# Altium PCB BACKPMANv21.PcbDoc (part 1 of 5) (continued)
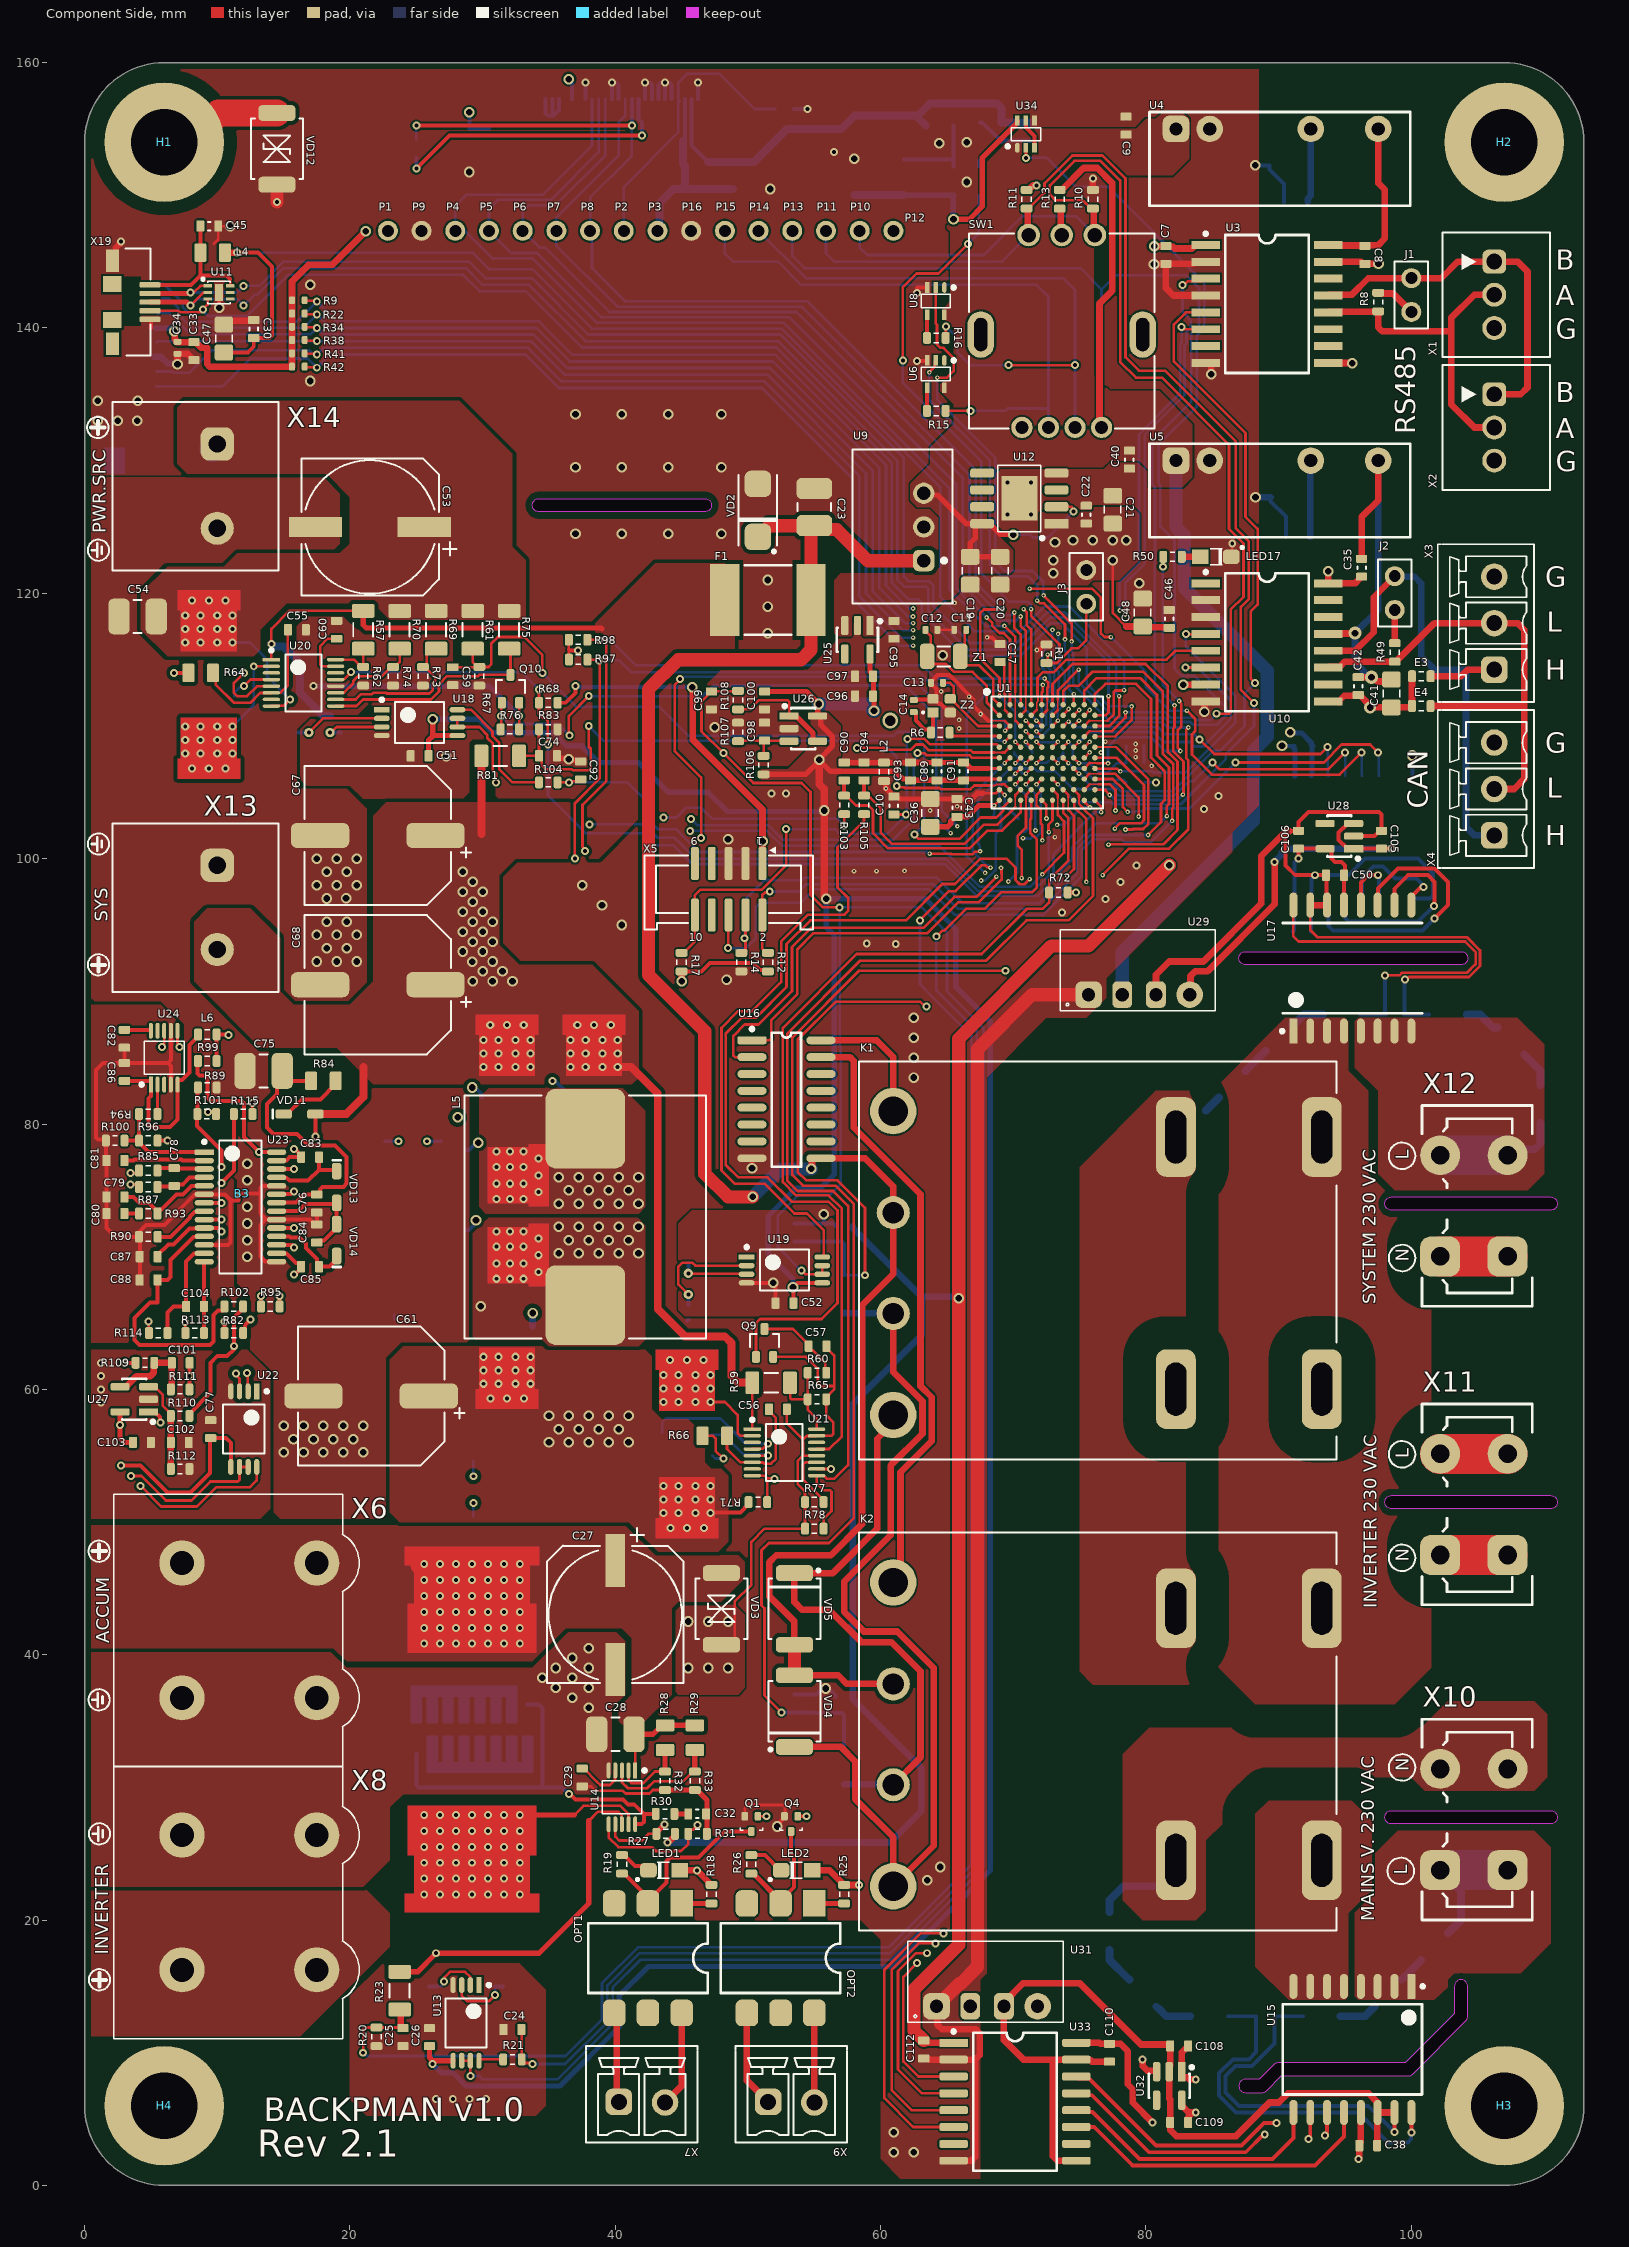
[diagram p0: Component Side view]
## Components (designator, comment, footprint, x,y, rotation, side; value= is the part's Value field where it differs from the comment) (continued)
Q17 "CSD18540Q5BT" "SO8FL Universal Footprint" 28.75,74.23 r90 bottom
Q18 "CSD18540Q5BT" "SO8FL Universal Footprint" 28.75,68.21 r90 bottom
R1 "RL0603K010-1" 0603 72.5,115.45 r270 top value="10 K"
R2 "RC0603FR-070RL" 0603 25,153.5 r270 bottom value="0 R"
R3 "Resistor" 0603 52.75,156.5 r180 bottom value="910 k"
R4 "Resistor" 0603 71.25,154.8 r90 bottom value="220 k"
R5 "Resistor" 0603 67.5,154.8 r270 bottom value="24.9 k"
R6 "RC0603FR-070RL" 0603 64.5,109.5 r0 top value="0 R"
R7 "RL0603K010-1" 0603 79.2,105.75 r180 bottom value="10 K"
R8 "Resistor" 0603 97.5,141.95 r270 top value=120
R9 "Resistor" 0402 16.111,142.088 r180 top value="22 k"
R10 "RL0603K010-1" 0603 76,149.7 r90 top value="10 K"
R11 "RL0603K010-1" 0603 71,149.7 r90 top value="10 K"
R12 "RL0603K010-1" 0603 51.5,92.2 r270 top value="10 K"
R13 "RL0603K010-1" 0603 73.5,149.7 r270 top value="10 K"
R14 "RL0603K010-1" 0603 49.5,92.2 r270 top value="10 K"
R15 "Resistor" 0603 64.2,133.75 r0 top value=120
R16 "Resistor" 0603 64.2,139.25 r0 top value=120
R17 "RL0603K010-1" 0603 45,92.2 r270 top value="10 K"
R18 "Resistor" 0603 47.25,21.95 r270 top value="1.5 k"
R19 "RL0603K001-1" 0603 40.5,24.2 r90 top value="1 K"
R20 "Resistor" 0603 22,11.2 r90 top value="4,7 k"
R21 "Resistor" 0603 32.25,9.5 r0 top value="1 k"
R22 "Resistor" 0402 16.111,141.088 r180 top value="22 k"
R23 "Resistor" 1206 23.75,14.675 r90 top value="100 k"
R24 "WSR51L000FEA" WSR52L000FEA 24.04,15 r0 bottom value=0.001
R25 "Resistor" 0603 57.25,21.95 r270 top value="1.5 k"
R26 "RL0603K001-1" 0603 50.25,24.2 r90 top value="1 K"
R27 "Resistor" 0603 43.8,26.5 r0 top value="10 k"
R28 "Resistor" 0805 43.75,33.75 r90 top value="5.6 M"
R29 "Resistor" 0805 46,33.75 r90 top value="5.6 M"
R30 "Resistor" 0603 43.75,28 r0 top value="10 k"
R31 "Resistor" 0603 46.2,26.5 r180 top value="10 k"
R32 "Resistor" 0603 43.75,30.5 r90 top value="191 k"
R33 "Resistor" 0603 46,30.5 r90 top value="86.6 k"
R34 "Resistor" 0402 16.111,140.088 r180 top value="22 k"
R35 "Resistor" 1206 98.25,14.5 r225 bottom value="330 k"
R35_1 "Resistor" 1206 101.75,18 r225 bottom value="330 k"
R36 "Resistor" 1206 93.25,12.75 r180 bottom value="330 k"
R37 "Resistor" 0603 89,12.75 r180 bottom value=910
R38 "Resistor" 0402 16.111,139.088 r180 top value="22 k"
R39 "Resistor" 1206 84.75,12.75 r180 bottom value="330 k"
R40 "Resistor" 1206 79.75,14.5 r135 bottom value="330 k"
R40_1 "Resistor" 1206 77.25,19.175 r270 bottom value="330 k"
R41 "Resistor" 0402 16.111,138.088 r180 top value="22 k"
R42 "Resistor" 0402 16.111,137.088 r180 top value="22 k"
R44 "Resistor" 1206 90,86.5 r45 bottom value="330 k"
R44_1 "Resistor" 1206 86.5,83 r45 bottom value="330 k"
R45 "Resistor" 1206 94.75,88.25 r0 bottom value="330 k"
R46 "Resistor" 0603 98.75,88.25 r0 bottom value=910
R47 "Resistor" 1206 102.75,88.25 r0 bottom value="330 k"
R48 "Resistor" 1206 107.5,86.25 r315 bottom value="330 k"
R48_1 "Resistor" 1206 109.75,81.5 r90 bottom value="330 k"
R49 "RL0603E120-1" 0603 98.75,115.55 r90 top value="120 R"
R50 "CRCW0603300RFKEA" 0603 82,122.75 r180 top value="300 R"
R51 "Resistor" 1206 57.25,67.175 r90 bottom value="100 k"
R52 "RL0603K004.7-1" 0603 55,71.8 r270 bottom value="4.7 K"
R53 "Resistor" 1206 57.25,31.675 r90 bottom value="100 k"
R54 "RL0603K004.7-1" 0603 55,36.3 r270 bottom value="4.7 K"
R55 "Resistor_shunt" "2512 shunt" 20.405,109.5 r180 bottom net-tie value="2 m"
R56 "Resistor_shunt" "2512 shunt" 45.5,65.245 r90 bottom net-tie value="2 m"
R57 "Resistor" 1206 21,117.25 r90 top value="200 k"
R59 "Resistor" 1206 51.75,60.5 r180 top value="150 k"
R60 "Resistor" 0603 55.2,61.25 r0 top value="54.9 k"
R61 "Resistor" 1206 29.25,117.25 r90 top value="100 k"
R62 "Resistor" 0603 21,113.75 r270 top value="10 k"
R64 "Resistor" 0805 8.75,114 r180 top value=10
R65 "Resistor" 0603 55.2,59.25 r180 top value="8.66 k"
R66 "Resistor" 0805 47.5,56.5 r180 top value=10
R67 "Resistor" 0603 29.75,113.75 r90 top value="4,7 k"
R68 "Resistor" 0603 34.95,111.75 r0 top value="10 k"
R69 "Resistor" 1206 26.5,117.25 r90 top value="5.6 M"
R70 "Resistor" 1206 23.75,117.25 r90 top value="5.6 M"
R71 "RC0603FR-070RL" 0603 50.75,51.5 r180 top value="0 R"
R72 "Resistor" 0603 73.4,97.45 r0 top value="10 k"
R73 "Resistor" 0603 25.5,113.75 r90 top value="510 k"
R74 "Resistor" 0603 23.25,113.75 r90 top value="261 k"
R75 "Resistor" 1206 32,117.25 r270 top value="100 k"
R76 "Resistor" 0603 32.05,109.75 r180 top value="10 k"
R77 "RC0603FR-070RL" 0603 55,51.5 r180 top value="0 R"
R78 "Resistor" 0603 55,49.5 r0 top value="10 k"
R80 "FC4L110R005FER" FC4L110 34.25,52.5 r90 bottom value="0.005 R"
R81 "Resistor" 1206 31.325,107.75 r180 top value="100 k"
R82 "Resistor" 0603 11.25,64.25 r0 top value=100
R83 "Resistor" 0603 34.95,109.75 r180 top value="4,7 k"
R84 "Resistor" 0805 18,83.25 r0 top value=10
R85 "Resistor" 0603 4.8,76.5 r0 top value="1 k"
R86 "FC4L110R005FER" FC4L110 24.75,73.75 r0 bottom value="0.005 R"
R87 "Resistor" 0603 4.8,75.25 r0 top value="1 k"
R89 "Resistor" 0603 9.25,82.75 r180 top value="10 k"
R90 "Resistor" 0603 4.8,71.5 r0 top value="64.9 k"
R93 "Resistor" 0603 4.8,73.25 r180 top value="27 k"
R94 "Resistor" 0603 4.8,80.75 r0 top value="9,1 k"
R95 "Resistor" 0603 14,66.25 r0 top value=100
R96 "Resistor" 0603 4.8,78.75 r0 top value="220 k"
R97 "Resistor" 0603 37.2,115 r0 top value="4.7 k"
R98 "Resistor" 0603 37.2,116.5 r0 top value="4.7 k"
R99 "Resistor" 0603 9.25,84.75 r180 top value="10 k"
R100 "Resistor" 0603 2.3,78.75 r0 top value="15 k"
R101 "Resistor" 0603 9.2,80.75 r0 top value=100
R102 "Resistor" 0603 11.25,66.25 r0 top value=100
R103 "Resistor" 0603 57.25,104.05 r90 top value="1 k"
R104 "Resistor" 0603 34.95,105.75 r0 top value="1 k"
R105 "Resistor" 0603 58.75,104.05 r90 top value="1 k"
R106 "Resistor" 0603 51.175,107.05 r270 top value="100 k"
R107 "Resistor" 0603 49.25,109.55 r270 top value="100 k"
R108 "Resistor" 0603 49.25,111.95 r270 top value=100
R109 "Resistor" 0603 4.55,62 r0 top value="1 M"
R110 "Resistor" 0603 7.2,58 r180 top value="1 M"
R111 "Resistor" 0603 7.2,60 r0 top value="82 k"
R112 "Resistor" 0603 7.2,54 r180 top value="82 k"
R113 "Resistor" 0603 8.3,64.25 r180 top value=100
R114 "Resistor" 0603 5.55,64.25 r180 top value=100
R115 "Resistor" 0603 11.95,80.75 r0 top value=100
R116 "RCV12062M00FKEA" 1206 90.75,152.25 r0 bottom value=2M
R117 "RCV12062M00FKEA" 1206 90.825,127.25 r0 bottom value=2M
SW1 "PEL12D-4225S-S2024" PEL12D-4225S-S2024 73.65,139.5 r180 top
U1 "STM32H753VIH6" TFBGA100 72.55,108 r0 top locked
U2 "MIC2250-1YD5-TR" SOT23-5 66.45,151.075 r0 bottom
U3 "ADM2483BRWZ" SO-G16/D10.4#1 84.5,146.25 r270 top
U4 "RFMM-0505S" "Recom 7-SIP module" 82.26,155 r0 top
U5 "RFMM-0505S" "Recom 7-SIP module" 82.26,130 r0 top
U6 "74LVC1G17SE-7" "SOT-353 ON Semi" 64.15,136.525 r270 top
U8 "74LVC1G17SE-7" "SOT-353 ON Semi" 64.15,142.025 r270 top
U9 "VX7805-500" VX7805-500 63.25,122.46 r90 top
U10 "ADM3054BRWZ-RL7" SO-G16/D10.4#1 84.5,120.75 r270 top
U11 "PUSBM5V5X4-TL,115" DFN1616-6 10.125,142.675 r0 top
U12 "AP7361C-33SP-13" "SOIC-8 EDP" 70.45,127.155 r180 top
U13 "INA240A2QPWRQ1" "TI TSSOP-8" 28.75,12.25 r270 top
U14 "LTC4368HMS-1#PBF" "10-LEAD PLASTIC MSOP LINEAR" 40.5,29.25 r270 top
U15 "ACS37800KMACTR-030B3-SPI" "16-Pin SOICW" 95.555,10.25 r270 top
U16 "ULN2003D1013TR" SO-16 50.3,86.31 r270 top
U17 "ACS37800KMACTR-030B3-SPI" "16-Pin SOICW" 95.555,91.75 r90 top
U18 "INA240A2QPWRQ1" "TI TSSOP-8" 25.25,110.25 r0 top
U19 "INA240A2QPWRQ1" "TI TSSOP-8" 52.75,69 r0 top
U20 "LTC4364HMS-2#PBF" "16-Lead Plastic MSOP LINEAR" 16.5,113.25 r0 top
U21 "LTC4364HMS-2#PBF" "16-Lead Plastic MSOP LINEAR" 52.75,55.25 r0 top
U22 "INA240A1QPWRQ1" "TI TSSOP-8" 12,57 r270 top
U23 "LTC3789EGN#PBF" "28-Lead Plastic SSOP Linear" 11.75,73.75 r0 top
U24 "DAC80501MDGST" "10-LEAD PLASTIC MSOP LINEAR" 6,85 r90 top
U25 "LP5907QMFX-3.3Q1" SOT23-5 58.25,116.5 r180 top
U26 "THS4281DBVR" SOT23-5 54.175,109.8 r270 top
U27 "OPA991IDBVR" SOT23-5 3.75,59.25 r90 top
U28 "LP5907QMFX-3.3Q1" SOT23-5 94.575,101.7 r90 top
U29 "B0505S-1WR3" "Recom 4-SIP module" 75.67,89.75 r0 top
U30 "SI8441BB-D-IS" SO-G16/D10.4#2 91.21,106.25 r0 bottom
U31 "B0505S-1WR3" "Recom 4-SIP module" 64.21,13.5 r0 top
U32 "LP5907QMFX-3.3Q1" SOT23-5 81.75,7.5 r180 top
U33 "SI8441BB-D-IS" SO-G16/D10.4#2 65.5,10.75 r270 top
U34 "LMN200B02-7" SOT363 70.95,154.607 r90 top
uSD1 "2908-05WB-MG" 2908-05WB-MG 5.443,143.315 r90 bottom
VD1 "CDSF4148" 1005 63.4,155.25 r0 bottom
VD2 "SMAJ28A" SMA 50.75,126.25 r270 top value="28 V"
VD3 "SMBJ30CA-13-F" "DO-214AA_SMBJ BI" 48,43.45 r90 top
VD4 "SMBJ28CA" DO-214AA_SMBJ 53.5,35.75 r90 top
VD5 "SMBJ28CA" DO-214AA_SMBJ 53.5,43.45 r270 top
VD6 "BAT54SWFILMY" SOT323-3 57.25,71.25 r270 bottom
VD7 "BAT54SWFILMY" SOT323-3 57.25,35.75 r270 bottom
VD8 "SMBJ28CA-13-F" "DO-214AA_SMBJ BI" 5.5,128.2 r90 bottom
VD9 "SBRT15U50SP5-13" "PowerDI 5" 36.58,65.2 r0 bottom
VD10 "SMBJ28CA-13-F" "DO-214AA_SMBJ BI" 5.4,96.6 r270 bottom
VD11 "Diode" SOD-323 16.2,80.75 r0 top
VD12 "SMBJ28CA" "DO-214AA_SMBJ BI" 14.5,153.5 r90 top
VD13 "Diode" SOD-323 19,75.25 r270 top
VD14 "Diode" SOD-323 19,71.25 r90 top
X1 "1881561" 1881561 106.25,145 r180 top
X2 "1881561" 1881561 106.25,135 r180 top
X3 "MCV 1.5/3-G-3.5" "mcv1.5-3-g_3.5 green + MC 1,5 3-ST-3,5 - 1840379" 106.25,114.25 r0 top
X4 "MCV 1.5/3-G-3.5" "mcv1.5-3-g_3.5 green + MC 1,5 3-ST-3,5 - 1840379" 106.25,101.75 r0 top
X5 "SHF-105-01-L-D-SM" SHF-105-01-L-D-SM 51.08,99.636 r180 top
X6 "MKDSP 10N/2-10,16" "MKDSP 10N/ 2-10,16" 7.34,46.91 r270 top
X7 "MCV 1,5/2-G-3,5" "mcv1.5-2-g_3.5 Green  + MC 1,5 2-ST-3,5 - 1840366" 40.25,6.25 r270 top
X8 "MKDSP 10N/2-10,16" "MKDSP 10N/ 2-10,16" 7.34,26.41 r270 top
X9 "MCV 1,5/2-G-3,5" "mcv1.5-2-g_3.5 Green  + MC 1,5 2-ST-3,5 - 1840366" 51.5,6.25 r270 top
X10 "GICV 2,5 HC/ 2-G-7,62" "1756485 GICV 2,5 HC/2 -G-7,62" 102.17,23.768 r90 top
X11 "GICV 2,5 HC/ 2-G-7,62" "1756485 GICV 2,5 HC/2 -G-7,62" 102.17,47.518 r90 top
X12 "GICV 2,5 HC/ 2-G-7,62" "1756485 GICV 2,5 HC/2 -G-7,62" 102.17,70.018 r90 top
X13 "MKDS5/2-6.35" MKDS5/2-6.35 10,99.5 r270 top
X14 "MKDS5/2-6.35" MKDS5/2-6.35 10,131.25 r270 top
X19 "10104110-0001LF" "FCI micro USB B receptacle SMD" 4.927,143.25 r270 top
Z1 "ABS07-32.768KHZ-T" ABS7 63.5,115.25 r0 top value="32.768 kHz"
Z2 "ABM11-16.000MHZ-9-B1U-T" "4-SMD 2.00mm x 1.60mm" 64.6,111.525 r0 top value="16 MHz"

## Footprints (in the part's own frame and the unit in brackets; to place one, negate y for a bottom-side part, rotate by r counter-clockwise, add the part's x,y. Pads: shape width x height; smd on the part's side, far side on the other; paste and mask are expansions set on the pad)
"4-SMD 2.00mm x 1.60mm" [mm]
  rect 0.85x0.75 smd mask+0.06: 1(-0.65,-0.525)
  rrect50% 0.85x0.75 smd mask+0.06: 2(0.65,-0.525) 3(0.65,0.525) 4(-0.65,0.525)
  silkscreen extent -1.47,-0.57 -1.33,-0.43, body extent -1,-0.8 1,0.8, height 0.6
"10-LEAD PLASTIC MSOP LINEAR" [mm] "TSSOP, 10-Leads, Body 3.0x3.0mm (max), Pitch 0.50mm, IPC Medium Density"
  rect 1.2x0.3 smd mask+0.06: 1(-2.025,1)
  oval 1.2x0.3 smd mask+0.06: 2(-2.025,0.5) 3(-2.025,0) 4(-2.025,-0.5) 5(-2.025,-1) 6(2.025,-1) 7(2.025,-0.5) 8(2.025,0) 9(2.025,0.5) 10(2.025,1)
  silkscreen extent -2.15,-1.5 1.25,1.83, body extent -1.5,-1.5 1.5,1.5, height 1.1
"16-Lead Plastic MSOP LINEAR" [mm]
  rrect25% 1.3x0.26 smd mask+0.06: 1(-2.425,1.75)
  oval 1.3x0.26 smd mask+0.06: 2(-2.425,1.25) 3(-2.425,0.75) 4(-2.425,0.25) 5(-2.425,-0.25) 6(-2.425,-0.75) 7(-2.425,-1.25) 8(-2.425,-1.75) 9(2.425,-1.75) 10(2.425,-1.25) 11(2.425,-0.75) 12(2.425,-0.25) 13(2.425,0.25) 14(2.425,0.75) 15(2.425,1.25) 16(2.425,1.75)
  silkscreen extent -2.55,-2.15 1.38,2.57, body extent -2.45,-2.15 2.45,2.15, height 1.1
"16-Pin SOICW" [mm] "SOIC, 16-Leads, Body 10.30x7.50mm, Pitch 1.27mm, IPC Medium Density"
  rrect20% 1.9x0.6 smd: 1(-4.75,4.445)
  oval 1.9x0.6 smd: 2(-4.75,3.175) 3(-4.75,1.905) 4(-4.75,0.635) 5(-4.75,-0.635) 6(-4.75,-1.905) 7(-4.75,-3.175) 8(-4.75,-4.445) 9(4.75,-4.445) 10(4.75,-3.175) 11(4.75,-1.905) 12(4.75,-0.635) 13(4.75,0.635) 14(4.75,1.905) 15(4.75,3.175) 16(4.75,4.445)
  silkscreen extent -4.87,-5.25 3.4,5.42, body extent -5.16,-5.25 5.16,5.25, height 2.65
"28-Lead Plastic SSOP Linear" [mm] "SOP, 28-Leads, Body 9.89x3.90mm, Pitch 0.64mm, IPC Medium Density"
  rrect25% 1.45x0.42 smd mask+0.06: 1(-2.725,4.127)
  oval 1.45x0.42 smd mask+0.06: 2(-2.725,3.492) 3(-2.725,2.857) 4(-2.725,2.222) 5(-2.725,1.587) 6(-2.725,0.952) 7(-2.725,0.317) 8(-2.725,-0.318) 9(-2.725,-0.953) 10(-2.725,-1.588) 11(-2.725,-2.223) 12(-2.725,-2.858) 13(-2.725,-3.493) 14(-2.725,-4.128) 15(2.725,-4.128) 16(2.725,-3.493) 17(2.725,-2.858) 18(2.725,-2.223) 19(2.725,-1.588) 20(2.725,-0.953) 21(2.725,-0.318) 22(2.725,0.317) 23(2.725,0.952) 24(2.725,1.587) 25(2.725,2.222) 26(2.725,2.857) 27(2.725,3.492) 28(2.725,4.127)
  silkscreen extent -2.85,-5 1.6,5.03, body extent -3,-5 3,5, height 1.75
0402 [mm] "Chip Resistor; Body 1.1 x 0.5 mm (LxW typ)"
  rrect50% 0.45x0.6 smd mask+0.05: 1(-0.475,0) 2(0.475,0)
  body extent -0.49,-0.25 0.51,0.25, height 0.35
"0402 CAP" [mm] "Chip Capacitor; Body 1.0 x 0.5 mm (LxW typ)"
  rrect50% 0.45x0.6 smd mask+0.05: 1(-0.452,0) 2(0.452,0)
  body extent -0.5,-0.25 0.5,0.25, height 0.5
0603 [mm] "Chip Resistor; Body 1.6 x 0.8 mm (LxW typ)"
  rrect50% 0.6x0.9 smd mask+0.06: 1(-0.7,0) 2(0.7,0)
  silkscreen extent -0.18,-0.35 0.18,0.35, body extent -0.79,-0.4 0.81,0.4, height 0.45
"0603 CAP" [mm] "Chip Capacitor; Body 1.6 x 0.8 mm (LxW typ)"
  rrect25% 0.6x0.85 smd mask+0.06: 1(-0.675,0) 2(0.675,0)
  body extent -0.85,-0.45 0.85,0.45, height 0.8
0805 [mm] "Chip Resistor; Body 2 x 1.3 mm (LxW typ)"
  rrect25% 0.9x1.4 smd mask+0.06: 1(-0.925,0) 2(0.925,0)
  body extent -1,-0.62 1,0.63, height 0.6
"0805 CAP" [mm] "Chip Capacitor; Body 2.0 x 1.2 mm (LxW typ)"
  rrect50% 0.9x1.4 smd mask+0.07: 1(-0.95,0) 2(0.85,0)
  silkscreen extent -0.33,-0.64 0.23,0.61, body extent -1.05,-0.64 0.95,0.62, height 1.25
"0805 LED" [mm] "0805 LED"
  rect 1.25x1.1 smd mask+0.06: 1(-1.175,0)
  rrect50% 1.25x1.1 smd mask+0.06: 2(1.175,0)
  silkscreen extent -0.41,-0.61 2.1,0.8, body extent -1.3,-0.6 1.3,0.6, height 1
0805-1206 [mm] "Chip Capacitor; Body 2.0 x 1.2 mm (LxW typ)"
  rrect30% 1.2x1.4 smd mask+0.05: 1(-1.1,0) 2(1,0)
  silkscreen extent -0.33,-0.63 0.23,0.61, body extent -1.05,-0.64 0.95,0.61, height 1.25
1005 [mm]
  rrect50% 1.2x1.2 smd: 1(0,0) 2(2.1,0)
  silkscreen extent 0.65,-0.65 1.45,0.65
1206 [mm] "Chip Resistor, 2-Leads, Body 3.10x1.60mm, IPC Medium Density"
  rrect25% 1.05x1.7 smd mask+0.06: 1(-1.425,0) 2(1.425,0)
  silkscreen extent -0.5,-0.75 0.5,0.75, body extent -1.6,-0.85 1.6,0.85, height 0.65
"1210 CAP" [mm] "Chip Capacitor; Body 3.2 x 2.5 mm (LxW typ)"
  rrect50% 1.6x2.7 smd: 1(-1.4,0) 2(1.4,0)
  silkscreen extent -0.3,-1.25 0.3,1.25, body extent -1.6,-1.25 1.6,1.25, height 1.15
1608[0603] [mm] "Chip Capacitor; Body 1.6 x 0.8 mm (LxW typ)"
  rrect25% 0.6x0.85 smd mask+0.06: 1(-0.675,0) 2(0.675,0)
  silkscreen extent -0.1,-0.32 0.1,0.33, body extent -0.85,-0.45 0.85,0.45, height 0.8
"2512 shunt" [mm] "Metal Element Current Sense"
  rrect50% 2.5x3.57 smd: 1(0,0) 2(5.4,0)
  round 0.7 hole 0.3 mask+0.102: 3(1.905,0) 4(3.505,0)
  Component Side pour cut-out: 0.5,0.5 2.1,0.5 2.4,0.2 2.4,-0.2 2.1,-0.5 0.5,-0.5
  Component Side pour cut-out: 4.91,-0.5 3.31,-0.5 3.01,-0.2 3.01,0.2 3.31,0.5 4.91,0.5
  Component Side lines w0.3: 4.293,0 3.505,0 ; 1.905,0 1.118,0
  silkscreen extent 1.4,-1.6 4,1.6, body extent -0.48,-1.6 5.92,1.6, height 0.61
2908-05WB-MG [mm]
  rrect50% 0.5x1.54 smd paste+0.1 mask+0.05: 1(0,0) 2(-1.1,0.4) 3(-2.2,0) 4(-3.3,-0.2) 5(-4.4,0) 6(-5.5,-0.2) 7(-6.6,0) 8(-7.706,-0.016)
  rrect50% 1.22x1.82 smd mask+0.05: 9(-8.48,-2.827) 10(4.67,-3.827)
  rrect50% 1.82x1.22 smd mask+0.05: 11(-1.19,10.382) 12(-6.89,10.382)
  silkscreen extent -8.94,-4.43 5.06,10.68, body extent -8.93,-4.51 5.07,10.74, height 1.85
"2920 (7351 Metric)" [mm] "Chip Resistor, 2-Leads, Body 7.36x5.12mm, IPC Medium Density"
  rect 2.2x5.45 smd: 1(-3.25,0) 2(3.25,0)
  silkscreen extent -1.75,-2.62 1.75,2.62, body extent -3.99,-2.72 3.99,2.72, height 1.15
3225[1210] [mm] "Chip Capacitor; Body 3.2 x 2.5 mm (LxW typ)"
  rrect50% 1.6x2.7 smd: 1(-1.4,0) 2(1.4,0)
  silkscreen extent -0.3,-1.25 0.3,1.25, body extent -1.6,-1.25 1.6,1.25, height 1.15
"1756485 GICV 2,5 HC/2 -G-7,62" [mm]
  rrect50% 3x3 hole 1.4: 1(0,0) 1(0,-5.08)
  round 3 hole 1.4: 2(7.62,-5.08) 2(7.62,0)
  silkscreen extent -3.76,-6.93 11.38,1.37, body extent -3.78,-15.87 11.38,1.63, height 32.46
1881561 [mm] "Printed-circuit board connector - MCV 0,5/ 3-G-2,5 Phoenix"
  rrect50% 1.8x1.8 / inner round 1.8 / far side round 1.8 hole 1.2 mask+0.07: 1(0,0)
  round 1.8 hole 1.2 mask+0.07: 2(0,2.5)
  round 1.8 / inner rrect50% 1.8x1.8 / far side rrect50% 1.8x1.8 hole 1.2 mask+0.07: 3(0,5)
  silkscreen extent -4.2,-2.2 3.9,7.2, body extent -4.2,-2.2 3.9,7.2, height 10.11
"7443556260   Wurth Elektronik" [mm]
  rrect25% 6x6 smd: 1(-6.65,0) 2(6.65,0)
  silkscreen extent -9.15,-9.1 9.15,9.1, body extent -9.15,-9.1 9.15,9.1, height 8.91
ABS7 [mm]
  rrect50% 1.1x1.9 smd: 1(0,0) 2(2.5,0)
  silkscreen extent 0.77,-0.75 1.73,0.75, body extent -0.35,-0.75 2.85,0.75, height 0.9
AHES4292 [mm] "General Purpose Relay 3PST-2NO/1NC (2 Form A, 1 Form B)  Through Hole"
  rrect50% 6x3 hole 1.6 slot 4 at 0 deg: 1(9.5,-32.3) 2(9.5,-21.3) 7(-9.5,-21.3) 8(-9.5,-32.3)
  round 3.5 hole 2.2: 3(11.45,0) 6(-11.45,0)
  round 2.5 hole 1.6: 4(3.8,0) 5(-3.8,0)
  silkscreen extent -14.8,-33.42 15.2,2.58, body extent -14.87,-33.5 15.27,2.65, height 40
DFN1616-6 [mm] "NXP  DFN1616-6 (SOT1189-1/XSON6)"
  rect 0.65x0.25 smd mask+0.05: 1(-0.85,0.5)
  rrect50% 0.65x0.25 smd mask+0.05: 2(-0.849,0) 3(-0.85,-0.5) 4(0.85,-0.5) 5(0.849,0) 6(0.85,0.5)
  rect 0.6x1.3 smd paste-0.25 mask+0.05: 7(0,0)
  silkscreen extent -1.3,-0.85 0.85,1.1, body extent -0.85,-0.85 0.85,0.85, height 0.5
"DIP-6 SMD" [mm] "DIP-6 SMD"
  rect 1.7x2 smd mask+0.05: 1(-2.54,-4.125)
  rrect50% 1.7x2 smd mask+0.05: 2(0,-4.125) 3(2.54,-4.125) 4(2.54,4.125) 5(0,4.125) 6(-2.54,4.125)
  silkscreen extent -4.5,-2.62 4.5,2.62, body extent -4.5,-3.2 4.5,3.2, height 5.08
DO-214AA_SMBJ [mm]
  rrect50% 1.2x2.794 smd: 1(-2.7,0) 2(2.7,0)
  silkscreen extent -3,-1.97 2.28,1.97, body extent -2.29,-2.03 2.29,2.03, height 2
"DO-214AA_SMBJ BI" [mm]
  rrect50% 1.2x2.794 smd: 1(-2.7,0) 2(2.7,0)
  silkscreen extent -2.28,-1.97 2.28,1.97, body extent -2.29,-2.03 2.29,2.03, height 2
ER-OLED015-2 [mm]
  rect 0.3x1.5 smd mask+0.05: 1(0,0)
  rrect50% 0.3x1.5 smd mask+0.05: 2(-0.5,0) 3(-1,0) 4(-1.5,0) 5(-2,0) 6(-2.5,0) 7(-3,0) 8(-3.5,0) 9(-4,0) 10(-4.5,0) 11(-5,0) 12(-5.5,0) 13(-6,0) 14(-6.5,0) 15(-7,0) 16(-7.5,0) 17(-8,0) 18(-8.5,0) 19(-9,0) 20(-9.5,0) 21(-10,0) 22(-10.5,0) 23(-11,0) 24(-11.5,0)
  rrect50% 1.7x4 smd mask+0.05: G1(-13.25,-2.051) G2(1.75,-2.051)
  silkscreen extent -14.55,-4.9 3.05,1.15, body extent -26.75,-30.58 15.25,1.2, height 3.2
FC4L110 [mm]
  rrect25% 1.4x8.7 smd mask+0.06: 1(-2.1,1.3) 2(2.1,1.3)
  rrect25% 1.4x1.6 smd mask+0.06: 3(-2.1,-4.95) 4(2.1,-4.95)
  body extent -2.6,-5.6 2.6,5.6, height 0.7
"FCI micro USB B receptacle SMD" [mm]
  rrect50% 0.4x1.6 smd mask+0.05: 1(0,0) 2(0.65,0) 3(1.3,0) 4(1.95,0) 5(2.6,0)
  rect 1.7x1 smd mask+0.05: G1(-1.83,-2.83) G4(4.43,-2.83)
  rect 1.2x1.4 smd mask+0.05: G2(-0.05,-2.826) G3(2.65,-2.826)
  Component Side pour cut-out: -0.6,-0.7 3.1,-0.7 3.1,-2.1 -0.6,-2.1
  silkscreen extent -2.74,-1.85 5.34,0.04, body extent -2.74,-5.53 5.34,0.04, height 2.75
HDR1X2V [mm]
  round 1.5 hole 0.9: 1(0,0) 2(2.54,0)
  silkscreen extent -1.27,-1.27 3.81,1.27, body extent -1.27,-1.27 3.81,1.27, height 9
"HOLE_5MM plated"#1 [mm]
  round 9 hole 5 mask+0.05: 0(0,0)
"HOLE_5MM plated"#2 [mm]
  round 9 hole 5 mask+0.05: 0(-22.8,18.2)
"HOLE_5MM plated"#3 [mm]
  round 9 hole 5 mask+0.05: 0(-9.5,8.8)
"HOLE_5MM plated"#4 [mm]
  round 9 hole 5 mask+0.05: 0(13,5.7)
"mcv1.5-2-g_3.5 Green  + MC 1,5 2-ST-3,5 - 1840366" [mm] "mcv1.5-2-g_3.5"
  rrect50% 2x2 hole 1.2 mask+0.05: 1(-0.051,0.025)
  round 2 hole 1.2 mask+0.05: 2(0,3.5)
  silkscreen extent -4.25,-2.45 3,5.95, body extent -4.85,-2.44 6.25,5.96, height 18.72
"mcv1.5-3-g_3.5 green + MC 1,5 3-ST-3,5 - 1840379" [mm] "mcv1.5-3-g_3.5"
  rrect50% 2x2 hole 1.2 mask+0.05: 1(0,0)
  round 2 hole 1.2 mask+0.05: 2(0,3.5) 3(0,7)
  silkscreen extent -4.25,-2.45 3,9.45, body extent -4.8,-2.45 6.3,9.46, height 18.76
MKDS5/2-6.35 [mm]
  rrect50% 2.5x2.5 hole 1.3 mask+0.05: 1(0,0)
  round 2.5 hole 1.3 mask+0.05: 2(6.35,0)
  silkscreen extent -3.17,-7.89 9.53,4.61, body extent -3.75,-7.9 9.52,4.6, height 21.5
"MKDSP 10N/ 2-10,16" [mm]
  round 3.4 hole 1.8 mask+0.05: 1(0,10.16) 1(0,0) 2(10.16,10.16) 2(10.16,0)
  silkscreen extent -5.18,-5.13 15.34,13.36, body extent -5.84,-5.1 15.34,13.25, height 29.08
"Net tee 0.3 mm" [mm]
  rrect50% 0.3x0.3 smd mask+0.06: 1(-0.3,0) 2(0.3,0)
  Component Side lines w0.3: 0.3,0 -0.3,0
"NET TEE 1206" [mm]
  rrect25% 1.05x1.7 smd mask+0.06: 1(-1.425,0) 2(1.425,0)
  Component Side region: -1,0.8 1,0.8 1,-0.8 -1,-0.8
"Panasonic G" [mm]
  rrect50% 4.4x1.9 smd: 1(0,0) 2(8.7,0)
  silkscreen extent -2.68,-5.25 9.86,5.25, body extent -1.65,-5.25 10.35,5.25, height 12.22
PEL12D-4225S-S2024 [mm]
  round 1.6 hole 1 mask+0.06: 1(3,7) 2(1,7) 3(-1,7) 4(-3,7)
  round 1.7 hole 1.1 mask+0.06: A(-2.5,-7.5) B(2.5,-7.5) C(0,-7.5)
  rrect100% 2x3.5 / inner oval 2x3.5 / far side oval 2x3.5 hole 2.5 slot 1 at 0 deg mask+0.06: M1(-6.1,0) M2(6.1,0)
  silkscreen extent -7,-7.6 7,7.08, body extent -6.99,-7.57 7.06,7.08, height 24.96
"PG-HSOF-8-1 (8-PowerSFN) Infineon" [mm]
  rrect10% 0.8x2.8 smd paste-0.05 mask+0.06: 1(0,0)
  rect 0.5x2 smd: 2(1.2,0) 2(2.4,0) 2(3.6,0) 2(4.8,0) 2(6,0) 2(7.2,0) 2(8.4,0)
  rect 8x0.5 smd paste-1 mask+0.102: 3(4.198,11.142)
  Component Side region: 0.8,-1.4 0.8,1.4 8.8,1.4 8.8,-1.4 8,-1.4 8,0.6 7.6,0.6 7.6,-1.4 6.8,-1.4 6.8,0.6 6.4,0.6 6.4,-1.4 5.6,-1.4 5.6,0.6 5.2,0.6 5.2,-1.4 4.4,-1.4 4.4,0.6 4,0.6 4,-1.4 3.2,-1.4 3.2,0.6 2.8,0.6 2.8,-1.4 2,-1.4 2,0.6 1.6,0.6 1.6,-1.4
  Component Side region: -0.65,3.9 -0.65,7.6 -0.15,7.6 -0.15,10.5 -0.85,10.5 -0.85,11.9 9.25,11.9 9.25,10.5 8.55,10.5 8.55,7.6 9.05,7.6 9.05,3.9
  Bottom Layer region: -0.65,3.9 -0.65,7.6 -0.15,7.6 -0.15,10.5 -0.85,10.5 -0.85,11.9 9.25,11.9 9.25,10.5 8.55,10.5 8.55,7.6 9.05,7.6 9.05,3.9
  silkscreen extent -0.75,-0.53 9.15,3.68, body extent -0.75,-0.53 9.15,11.14, height 2.36
"PIN 0.9 MM" [mm]
  round 1.5 / inner round 1.3 / far side round 1.5 hole 0.9 mask+0.1: 1(0,0)
"PowerDI 5" [mm] "PowerDI 5"
  rect 1.39x1.4 smd: 1(0,0) 2(1.84,0)
  rect 3.36x4.8 smd: 3(0.92,3.95)
  silkscreen extent -1.1,-0.01 2.94,5.66, body extent -1.09,-0.41 2.96,6.09, height 1.15
"Recom 4-SIP module" [mm]
  rrect50% 2x2 hole 1 mask+0.05: 1(0,0)
  rrect50% 1.5x2 hole 1 mask+0.05: 2(2.54,0) 3(5.08,0)
  round 2 hole 1 mask+0.05: 4(7.62,0)
  silkscreen extent -2.15,-1.2 9.55,4.9, body extent -2.15,-1.2 9.55,4.9, height 10
"Recom 7-SIP module" [mm]
  rrect50% 2x2 hole 1 mask+0.05: 1(0,0)
  round 2 hole 1 mask+0.05: 2(2.54,0) 5(10.16,0) 7(15.24,0)
  silkscreen extent -2,-5.78 17.65,1.27, body extent -2,-5.78 17.65,1.27, height 10.2
SHF-105-01-L-D-SM [mm]
  rrect50% 0.6x2.5 smd mask+0.05: 1(0,0) 2(0,3.886) 3(1.27,0) 4(1.27,3.886) 5(2.54,0) 6(2.54,3.886) 7(3.81,0) 8(3.81,3.886) 9(5.08,0) 10(5.08,3.886)
  silkscreen extent -3.81,-1.25 8.89,4.99, body extent -3.81,-1.1 8.89,4.99, height 5.47
SMA [mm]
  rrect50% 2x2 smd: 1(2,0) 2(-2,0)
  silkscreen extent -2.65,-1.45 3.2,1.45, body extent -2.65,-1.45 2.65,1.45, height 2.55
"SO8FL Universal Footprint" [mm]
  rrect10% 0.7x1.15 smd paste-0.05 mask+0.06: 1(3.81,0) 2(0,0) 2(1.27,0) 2(2.54,0)
  rrect10% 0.7x1 smd paste-0.05 mask+0.06: 3(0,5.725) 3(1.27,5.725) 3(2.54,5.725) 3(3.81,5.725)
  Component Side region: -0.195,1.625 -0.195,4.725 -0.445,4.725 -0.445,6.225 4.255,6.225 4.255,4.725 4.005,4.725 4.005,1.625
  Bottom Layer region: -0.195,1.625 -0.195,4.725 -0.445,4.725 -0.445,6.225 4.255,6.225 4.255,4.725 4.005,4.725 4.005,1.625
  silkscreen extent -0.67,-0.24 4.48,5.91, body extent -0.67,-0.24 4.48,5.91, height 1.14
SO-16 [mm] "Small Outline; 16 Leads; Body Width 3.9 mm; Pitch 1.27 mm"
  rrect50% 0.6x2.2 smd mask+0.06: 1(0,0)
  oval 0.6x2.2 smd mask+0.06: 2(1.27,0) 3(2.54,0) 4(3.81,0) 5(5.08,0) 6(6.35,0) 7(7.62,0) 8(8.89,0) 9(8.89,5.2) 10(7.62,5.2) 11(6.35,5.2) 12(5.08,5.2) 13(3.81,5.2) 14(2.54,5.2) 15(1.27,5.2) 16(0,5.2)
  silkscreen extent -0.97,-0.12 9.53,3.7, body extent -0.7,0.8 9.6,4.5, height 1.5
SO-G16/D10.4#1 [mm] "Plastic Small Outline; 16 Leads; Body Width 7.5 mm"
  rect 0.6x2.15 smd: 1(0,0) 2(1.27,0) 3(2.54,0) 4(3.81,0) 5(5.08,0) 6(6.35,0) 7(7.62,0) 8(8.89,0) 9(8.89,9.25) 10(7.62,9.25) 11(6.35,9.25) 12(5.08,9.25) 13(3.81,9.25) 14(2.54,9.25) 15(1.27,9.25) 16(0,9.25)
  silkscreen extent -0.97,-0.12 9.64,7.77, body extent -0.76,1.14 9.65,8.13, height 1.5
SO-G16/D10.4#2 [mm] "Plastic Small Outline; 16 Leads; Body Width 7.5 mm"
  rect 0.6x2.15 smd: 1(0,0)
  rrect50% 0.6x2.15 smd: 2(1.27,0) 3(2.54,0) 4(3.81,0) 5(5.08,0) 6(6.35,0) 7(7.62,0) 8(8.89,0) 9(8.89,9.25) 10(7.62,9.25) 11(6.35,9.25) 12(5.08,9.25) 13(3.81,9.25) 14(2.54,9.25) 15(1.27,9.25) 16(0,9.25)
  silkscreen extent -0.97,-0.12 9.64,7.77, body extent -0.76,1.14 9.65,8.13, height 1.5
SOD-323 [mm]
  rrect50% 1.25x0.7 smd mask+0.05: 1(-1.2,0) 2(1.2,0)
  silkscreen extent -2.03,-0.3 -2.03,0.3, body extent -1.27,-0.73 1.33,0.72, height 1.16
"SOIC-8 EDP" [mm] "SOIC-8 EDP Semtech"
  rect 1.8x0.7 smd mask+0.06: 1(-2.8,1.905)
  rrect50% 1.8x0.7 smd mask+0.06: 2(-2.8,0.635) 3(-2.8,-0.635) 4(-2.8,-1.905) 5(2.8,-1.905) 6(2.8,-0.635) 7(2.8,0.635) 8(2.8,1.905)
  rect 2.71x3.35 smd mask+0.06: 9(0,0)
  silkscreen extent -1.85,-2.5 1.64,3.12, body extent -2,-2.5 2,2.5, height 1
SOT23-5 [mm] "SOT-23/SC-74A; 5 Leads; Body 3.1 x 3 mm, inc. leads (LxW max)"
  rect 0.55x1.45 smd: 1(-0.95,-1.075)
  rrect50% 0.55x1.45 smd: 2(0,-1.075) 3(0.95,-1.075) 4(0.95,1.075) 5(-0.95,1.075)
  silkscreen extent -1.82,-1.52 1.55,0.9, body extent -1.6,-0.9 1.6,0.9, height 1
SOT323-3 [mm] "SOT23, 3-Leads, Body 2.00x2.10mm, Pitch 0.65mm, IPC Medium Density"
  rrect50% 0.9x0.6 smd mask+0.06: 1(-1.05,0.65) 2(-1.05,-0.65) 3(1.05,0)
  silkscreen extent -0.33,-1.1 0.67,1.1, body extent -1.3,-1.1 1.3,1.1, height 1
SOT363 [mm] "SOT23, 6-Leads, Body 2.2x2.2mm (max), Pitch 0.65mm, IPC Medium Density"
  oval 0.75x0.35 smd mask+0.06: 1(-1.025,0.65)
  rect 0.75x0.35 smd mask+0.06: 2(-1.025,0) 3(-1.025,-0.65) 4(1.025,-0.65) 5(1.025,0) 6(1.025,0.65)
  silkscreen extent -1.05,-1.1 0.5,1.5, body extent -0.67,-1.1 0.67,1.1, height 1.1
"SOT-353 ON Semi" [mm] "SOT23, 5-Leads, Body 2.2x2.2mm (max), Pitch 0.65mm, IPC Medium Density"
  oval 0.8x0.35 smd mask+0.05: 1(-1.025,0.65)
  rect 0.8x0.35 smd mask+0.05: 2(-1.025,0) 3(-1.025,-0.65) 4(1.025,-0.65) 5(1.025,0.65)
  silkscreen extent -1.15,-1.1 0.5,1.48, body extent -0.67,-1.1 0.67,1.1, height 1.1
SOT-523F [mm] "SOT23, 3-Leads, Body 1.7x1.7mm (max), Pitch 0.50mm, IPC Medium Density"
  rrect50% 0.66x0.5 smd mask+0.05: 1(-0.575,0.5) 2(-0.575,-0.5) 3(0.575,0)
  silkscreen extent 0.29,-0.85 0.49,0.85, body extent -0.49,-0.85 0.49,0.85, height 0.78
TFBGA100 [mil]
  round 16 smd paste+0 mask+1.97: A1(-141.73,141.73) A2(-110.24,141.73) A3(-78.74,141.73) A4(-47.25,141.73) A5(-15.75,141.73) A6(15.75,141.73) A7(47.25,141.73) A8(78.74,141.73) A9(110.24,141.73) A10(141.73,141.73) B1(-141.73,110.24) B2(-110.24,110.24) B3(-78.74,110.24) B4(-47.25,110.24) B5(-15.75,110.24) B6(15.75,110.24) B7(47.25,110.24) B8(78.74,110.24) B9(110.24,110.24) B10(141.73,110.24) C1(-141.73,78.74) C2(-110.24,78.74) C3(-78.74,78.74) C4(-47.25,78.74) C5(-15.75,78.74) C6(15.75,78.74) C7(47.25,78.74) C8(78.74,78.74) C9(110.24,78.74) C10(141.73,78.74) D1(-141.73,47.24) D2(-110.24,47.24) D3(-78.74,47.24) D4(-47.25,47.24) D5(-15.75,47.24) D6(15.75,47.24) D7(47.25,47.24) D8(78.74,47.24) D9(110.24,47.24) D10(141.73,47.24) E1(-141.73,15.75) E2(-110.24,15.75) E3(-78.74,15.75) E4(-47.25,15.75) E5(-15.75,15.75) E6(15.75,15.75) E7(47.25,15.75) E8(78.74,15.75) E9(110.24,15.75) E10(141.73,15.75) F1(-141.73,-15.75) F2(-110.24,-15.75) F3(-78.74,-15.75) F4(-47.25,-15.75) F5(-15.75,-15.75) F6(15.75,-15.75) F7(47.25,-15.75) F8(78.74,-15.75) F9(110.24,-15.75) F10(141.73,-15.75) G1(-141.73,-47.24) G2(-110.24,-47.24) G3(-78.74,-47.24) G4(-47.25,-47.24) G5(-15.75,-47.24) G6(15.75,-47.24) G7(47.25,-47.24) G8(78.74,-47.24) G9(110.24,-47.24) G10(141.73,-47.24) H1(-141.73,-78.74) H2(-110.24,-78.74) H3(-78.74,-78.74) H4(-47.25,-78.74) H5(-15.75,-78.74) H6(15.75,-78.74) H7(47.25,-78.74) H8(78.74,-78.74) H9(110.24,-78.74) H10(141.73,-78.74) J1(-141.73,-110.24) J2(-110.24,-110.24) J3(-78.74,-110.24) J4(-47.25,-110.24) J5(-15.75,-110.24) J6(15.75,-110.24) J7(47.25,-110.24) J8(78.74,-110.24) J9(110.24,-110.24) J10(141.73,-110.24) K1(-141.73,-141.73) K2(-110.24,-141.73) K3(-78.74,-141.73) K4(-47.25,-141.73) K5(-15.75,-141.73) K6(15.75,-141.73) K7(47.25,-141.73) K8(78.74,-141.73) K9(110.24,-141.73) K10(141.73,-141.73)
  silkscreen extent -185,-165 166,186, body extent -160,-160 160,160, height 20
"TI TSSOP-8" [mm] "TSOP, 8-Leads, Body 3.00x4.40mm, Pitch 0.65mm, IPC High Density"
  rect 1.2x0.4 smd mask+0.05: 1(-2.85,0.975)
  oval 1.2x0.4 smd mask+0.05: 2(-2.85,0.325) 3(-2.85,-0.325) 4(-2.85,-0.975) 5(2.85,-0.975) 6(2.85,-0.325) 7(2.85,0.325) 8(2.85,0.975)
  silkscreen extent -2.97,-1.55 1.85,1.85, body extent -3.2,-1.55 3.2,1.55, height 1.2
UUD1V331MNL1GS [mm]
  rect 4x1.5 smd: 1(4.1,0) 2(-4.1,0)
  silkscreen extent -5.15,-5.15 6.53,5.15, body extent -5.46,-5.13 5.54,5.17, height 10.71
VLS4012ET [mm]
  rrect50% 1.3x4 smd: 1(0,0) 2(2.7,0)
VX7805-500 [mm]
  rrect50% 1.6x1.6 hole 1: 1(0,0)
  round 1.6 hole 1: 2(2.54,0) 3(5.08,0)
  silkscreen extent -3.23,-2.17 8.37,5.38, body extent -3.23,-2.17 8.37,5.39, height 10.17
WSR52L000FEA [mm]
  rect 4x6 smd: 1(0,0) 2(9.46,0)
  silkscreen extent -1.03,-3.5 10.49,3.5, body extent -1.25,-3.5 10.75,3.5, height 2.41